# Altium PCB HIVE_SIGHT.PcbDoc (part 2 of 4)
Units mil, origin at the board's own origin, x right, y up, seen from the top; angles counter-clockwise.
Board outline 2755.91 x 4245.66 mil, 4 copper layers (Top, GND, PWR, Bottom), stack 60.394 mil thick; 270 components, 195 nets, 1094 pads, 396 vias.
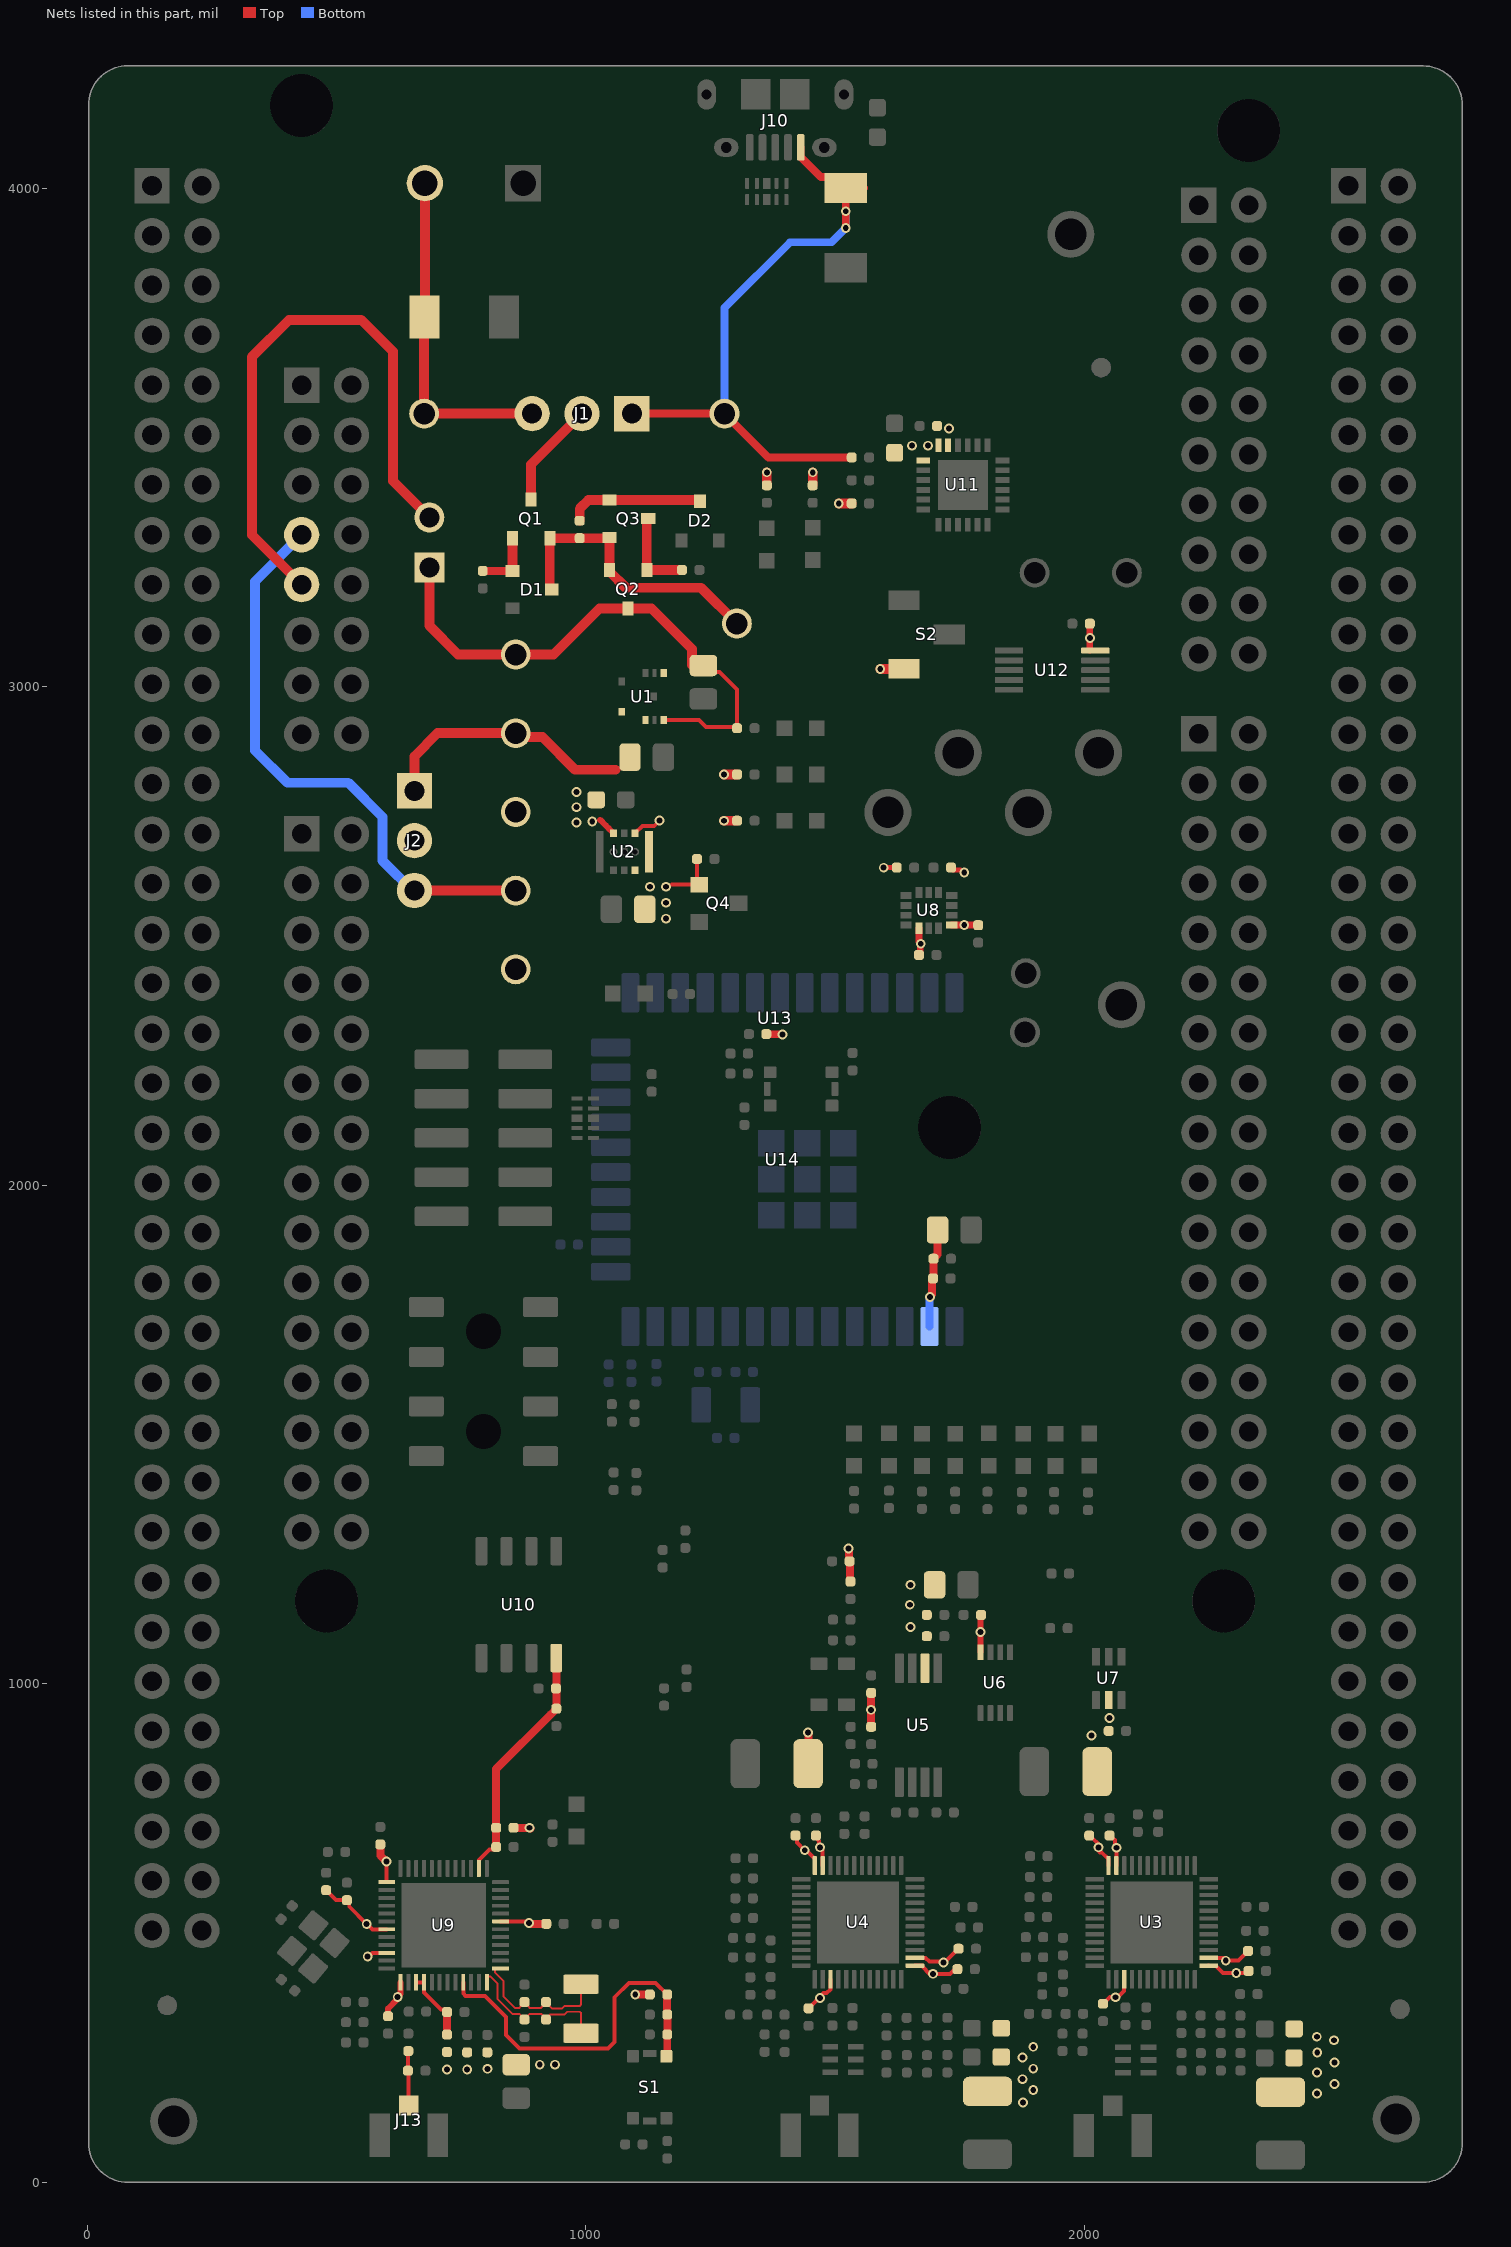
[diagram p4: the nets of this part, all layers, seen from the top]

## Footprints (in the part's own frame and the unit in brackets; to place one, negate y for a bottom-side part, rotate by r counter-clockwise, add the part's x,y. Pads: shape width x height; smd on the part's side, far side on the other; paste and mask are expansions set on the pad) (continued)
TVS_SMBJ5.0D-M3/H [mm]
  rect 1.52x2.18 smd paste-0.025 mask+0.07: 1(-2.032,0) 2(2.032,0)
  silkscreen extent -2.41,-2.13 2.3,2.1, body extent -2.69,-1.8 2.71,1.75, height 2.24
XFR_HHM1595A1 [mm] "HHM1595A1"
  rrect20% 0.3x0.8 smd paste-0.025 mask+0.07: 1(-0.65,-0.65) 2(0,-0.65) 3(0.65,-0.65) 4(0.65,0.65) 5(0,0.65) 6(-0.65,0.65)
  silkscreen extent -1.42,-0.75 1,0.75, body extent -1,-0.75 1,0.75, height 0.95

## Part data
C1: library part CAP_CER_C2012X7R1E475K125AE, "CAP - CER 4.7UF 10% 25V X7R - 0805", Manufacturer #1="TDK Corporation", Package=0805, Supplier Part Number 1=445-14537-1-ND, Temperature="-55°C ~ 125°C", Tolerance=10%, Voltage Rating=25V, Assembly Type=SMD, CreatedBy/Date="Keven Deslandes - 2018/11/09", GRAMS Lib Spec=2.8, HelpURL=https://product.tdk.com/info/en/documents/chara_sheet/C2012X7R1E475K125AE.pdf, Magnetic Material=Unknown, Part Number #1=C2012X7R1E475K125AE, Polarized=No, Supplier 1=Digi-Key, VerifiedBy="Nicolas Roy - 2018/12/11"
C2 C4: library part CAP_CER_GRM21BR61C106KE15K, "CAP - CER 10UF 10% 16V X5R - 0805", Manufacturer #1=Murata, Package=0805, Supplier Part Number 1=490-6473-1-ND, Temperature="-55°C ~ 85°C", Tolerance=10%, Voltage Rating=16V, Assembly Type=SMD, CreatedBy/Date="Caroline Paulin / 8 août 2018", GRAMS Lib Spec=2.8, HelpURL=https://search.murata.co.jp/Ceramy/image/img/A01X/G101/ENG/GRM21BR61C106KE15-01.pdf, Magnetic Material=Unknown, Part Number #1=GRM21BR61C106KE15K, Polarized=NO, Supplier 1=Digi-Key, VerifiedBy="Nicolas V. (2019-01-22)"
C3 C100: library part CAP_CER_CL10A475MA8NQNC, "CAP - CER 4.7µF 20% 25V X5R - 0603", Manufacturer #1="Samsung Electro-Mechanics", Package=0603, Supplier Part Number 1=1276-1903-1-ND, Temperature="-55°C ~ 85°C", Tolerance=20%, Voltage Rating=25V, Assembly Type=SMD, CreatedBy/Date="Nicolas Roy 2018-11-21", GRAMS Lib Spec=2.8, HelpURL=http://www.samsungsem.com/kr/support/product-search/mlcc/__icsFiles/afieldfile/2018/06/20/CL10A475MA8NQNC.pdf, Magnetic Material=Unknown, Part Number #1=CL10A475MA8NQNC, Polarized=NO, Supplier 1=Digi-Key, VerifiedBy="Nicolas V. (2019-01-22)"
C5 C6 C7 C8 C9 C10 C14 C17 C20 C24 C25 C26 C27 C28 C29 C30 C31 C35 C36 C37 C38 C39 C40 C44 C46 C48 C52 C53 C56 C57 C58 C59 C60 C61 C77 C78 C101 C102: library part CAP_CER_CGA2B3X7R1E104K050BB, "CAP - CER 0.1µF 10% 25V X7R - 0402", Manufacturer #1="TDK Corporation", Package=0402, Supplier Part Number 1=445-6902-1-ND, Temperature="-55°C ~ 125°C", Tolerance=10%, Voltage Rating=25V, Assembly Type=SMD, CreatedBy/Date="Nicolas Roy 2018-11-07", GRAMS Lib Spec=2.8, HelpURL=https://product.tdk.com/info/en/catalog/datasheets/mlcc_automotive_general_en.pdf, Magnetic Material=Unknown, Part Number #1=CGA2B3X7R1E104K050BB, Polarized=NO, Supplier 1=Digi-Key, VerifiedBy="Nicolas V. (2019-01-22)"
  C5 C6 C7 C8 C9 C10 C14 C17 C20 C24 C25 C26 C27 C28 C29 C30 C31 C35 C36 C37 C38 C39 C40 C44 C46 C48 C52 C53 C56 C57 C58 C59 C60 C61 C77 C78 C102: Cryo=UNKNOWN
C11 C21 C41 C49: library part CAP_CER_CL05B103KB5NFNC, "CAP - CER 10nF ±10% 50V X7R - 0402", Manufacturer #1="Samsung Electro-Mechanics", Package=0402, Supplier Part Number 1=1276-1499-1-ND, Temperature="-55°C ~ 125°C", Tolerance=10%, Voltage Rating=50V, Assembly Type=SMD, CreatedBy/Date="Keven Deslandes - 2018/11/20", Cryo=UNKNOWN, GRAMS Lib Spec=2.8, HelpURL=http://www.samsungsem.com/kr/support/product-search/mlcc/CL05B103KB5NFNC.jsp, Magnetic Material=Unknown, Part Number #1=CL05B103KB5NFNC, Polarized=No, Supplier 1=Digi-Key, VerifiedBy="Nicolas Roy - 2018/12/11"
C12 C22 C42 C50 C72: library part CAP_CER_CC0402KRX7R9BB102, "CAP - CER 1nF 10% 50V X7R - 0402", Manufacturer #1=Yageo, Package=0402, Supplier Part Number 1=311-1036-1-ND, Temperature="-55°C ~ 125°C", Tolerance=10%, Voltage Rating=50V, Assembly Type=SMD, CreatedBy/Date="Jonathan Bouchard 2019-04-06", Cryo=UNKNOWN, GRAMS Lib Spec=2.8, HelpURL=http://www.yageo.com/documents/recent/UPY-GPHC_X7R_6.3V-to-50V_18.pdf, Magnetic Material=UNKNOWN, Part Number #1=CC0402KRX7R9BB102, Polarized=NO, Supplier 1=Digi-Key, VerifiedBy="Nicolas V. (2019-04-30)"
C13 C23 C33 C34 C43 C51 C63 C64: library part CAP_CER_CC0402JRNPO9BN120, "CAP - CER 12pF 50V ±5% C0G, NP0 - 0402", Manufacturer #1=Yageo, Package=0402, Supplier Part Number 1=311-1016-1-ND, Temperature="-55°C ~ 125°C", Tolerance=±5%, Voltage Rating=50V, Assembly Type=SMD, CreatedBy/Date="Philippe Arsenault/ 2020-07-24", Cryo=UNKNOWN, GRAMS Lib Spec=2.8, HelpURL=https://www.yageo.com/upload/media/product/productsearch/datasheet/mlcc/UPY-GP_NP0_16V-to-50V_18.pdf, Magnetic Material=Unknown, Part Number #1=CC0402JRNPO9BN120, Polarized=NO, Supplier 1=Digi-Key, VerifiedBy="Louis-Daniel Gaulin / 2020-07-29"
C15 C45: library part CAP_CER_CC0402JRNPO9BN270, "CAP - CER 27pF 50V ±5% C0G, NP0 - 0402", Manufacturer #1=Yageo, Package=0402, Supplier Part Number 1=311-1019-1-ND, Temperature="-55°C ~ 125°C", Tolerance=±5%, Voltage Rating=50V, Assembly Type=SMD, CreatedBy/Date="Philippe Arsenault/ 2020-07-24", Cryo=UNKNOWN, GRAMS Lib Spec=2.8, HelpURL=https://www.yageo.com/upload/media/product/productsearch/datasheet/mlcc/UPY-GP_NP0_16V-to-50V_18.pdf, Magnetic Material=Unknown, Part Number #1=CC0402JRNPO9BN270, Polarized=NO, Supplier 1=Digi-Key, VerifiedBy="Louis-Daniel Gaulin / 2020-07-29"
C16 C47: library part CAP_CER_C0402C129C5GACTU, "CAP - CER 1.2pF 50V ±0.25pF C0G, NP0 - 0402", Manufacturer #1=KEMET, Package=0402, Supplier Part Number 1=399-1001-1-ND, Temperature="-55°C ~ 125°C", Tolerance=±0.25pF, Voltage Rating=50V, Assembly Type=SMD, CreatedBy/Date="Philippe Arsenault/ 2020-07-24", Cryo=UNKNOWN, GRAMS Lib Spec=2.8, HelpURL=https://content.kemet.com/datasheets/KEM_C1003_C0G_SMD.pdf, Magnetic Material=Unknown, Part Number #1=C0402C129C5GACTU, Polarized=NO, Supplier 1=Digi-Key, VerifiedBy="Louis-Daniel Gaulin / 2020-07-29"
C18 C54: library part CAP_CER_GRM1555C1H180GA01D, "CAP - CER 18pF 50V C0G, NPO - 0402", Manufacturer #1="Murata Electronics North America", Package=0402, Supplier Part Number 1=490-6204-1-ND, Temperature="-55°C ~ 125°C", Tolerance=2%, Voltage Rating=50V, Assembly Type=SMD, CreatedBy/Date="Tommy Rossignol / 2018-11-20", Cryo=UNKNOWN, GRAMS Lib Spec=2.8, HelpURL=https://psearch.en.murata.com/capacitor/product/GRM1555C1H180GA01%23.html, Magnetic Material=UNKNOWN, Note="Not for new Design", Part Number #1=GRM1555C1H180GA01D, Polarized=NO, Supplier 1=Digi-Key, VerifiedBy="Caroline Paulin - 13 fév 2019"
C19 C55: library part CAP_CER_CC0402KRX7R9BB821, "CAP - CER 820pF 50V ±10% X7R - 0402", Manufacturer #1=Yageo, Package=0402, Supplier Part Number 1=311-1727-1-ND, Temperature="-55°C ~ 125°C", Tolerance=±10%, Voltage Rating=50V, Assembly Type=SMD, CreatedBy/Date="Philippe Arsenault/ 2020-07-24", Cryo=UNKNOWN, GRAMS Lib Spec=2.8, HelpURL=https://www.yageo.com/upload/media/product/productsearch/datasheet/mlcc/UPY-GPHC_X7R_6.3V-to-50V_18.pdf, Magnetic Material=Unknown, Part Number #1=CC0402KRX7R9BB821, Polarized=NO, Supplier 1=Digi-Key, VerifiedBy="Louis-Daniel Gaulin / 2020-07-29"
C32 C62 C89: library part CAP_CER_CC0402JRNPO9BN101, "CAP - CER 100pF 50V ±5% C0G,CP0 - 0402", Manufacturer #1=Yageo, Package=0402, Supplier Part Number 1=311-1024-1-ND, Temperature="-55°C ~ 125°C", Tolerance=±5%, Voltage Rating=50V, Assembly Type=SMD, CreatedBy/Date="Philippe Arsenault/ 2020-07-24", Cryo=UNKNOWN, GRAMS Lib Spec=2.8, HelpURL=https://www.yageo.com/upload/media/product/productsearch/datasheet/mlcc/UPY-GPHC_X7R_6.3V-to-50V_18.pdf, Magnetic Material=Unknown, Part Number #1=CC0402JRNPO9BN101, Polarized=NO, Supplier 1=Digi-Key, VerifiedBy="Louis-Daniel Gaulin / 2020-07-29"
C65 C66 C75: library part CAP_CER_C0402C103M5RACTU, "CAP - CER 10nF 50V X7R 20% - 0402", Manufacturer #1=KEMET, Package=0402, Supplier Part Number 1=399-7760-1-ND, Temperature="-55°C ~ 125°C", Tolerance=20%, Voltage Rating=50V, Assembly Type=SMD, CreatedBy/Date="Keven Deslandes - 2018/11/09", Cryo=UNKNOWN, GRAMS Lib Spec=2.8, HelpURL=https://api.kemet.com/component-edge/download/datasheet/C0402C103M5RACTU.pdf, Magnetic Material=Unknown, Part Number #1=C0402C103M5RACTU, Polarized=No, Supplier 1=Digi-Key, VerifiedBy="Nicolas Roy - 2018/12/11"
C67: library part CAP_CER_GRM21BC71E106KE11L, "CAP - CER 10UF 10% 25V X7S - 0805", Manufacturer #1=Murata, Package=0805, Supplier Part Number 1=490-10496-1-ND, Temperature="-55°C ~ 125°C", Tolerance=10%, Voltage Rating=25V, Assembly Type=SMD, CreatedBy/Date="Caroline Paulin / 8 août 2018", Cryo=UNKNOWN, GRAMS Lib Spec=2.8, HelpURL=https://search.murata.co.jp/Ceramy/image/img/A01X/G101/ENG/GRM21BC71E106KE11-01.pdf, Magnetic Material=Unknown, Part Number #1=GRM21BC71E106KE11L, Polarized=NO, Supplier 1=Digi-Key, VerifiedBy="Nicolas V. (2019-01-22)"
C68 C73 C80 C90 C93 C112: library part CAP_CER_CL05A105KL5NRNC, "CAP - CER 1uF 10% 35V X5R - 0402", Manufacturer #1="Samsung Electro-Mechanics", Package=0402, Supplier Part Number 1=1276-6796-1-ND, Temperature="-55°C ~ 85°C", Tolerance=10%, Voltage Rating=35V, Assembly Type=SMD, CreatedBy/Date="Nicolas Roy 2018-10-03", Cryo=UNKNOWN, GRAMS Lib Spec=2.8, HelpURL=http://www.samsungsem.com/kr/support/product-search/mlcc/__icsFiles/afieldfile/2018/06/19/CL05A105KL5NRNC.pdf, Magnetic Material=Unknown, Part Number #1=CL05A105KL5NRNC, Polarized=NO, Supplier 1=Digi-Key, VerifiedBy="Caroline Paulin - 18 janv 2019"
C69 C70 C71 C74 C81 C82 C87 C88 C91 C94 C97 C108 C113: library part CAP_CER_CL05A104KA5NNNC, "CAP - CER 0.1uF 10% 25V X5R - 0402", Manufacturer #1="Samsung Electro-Mechanics", Package=0402, Supplier Part Number 1=1276-1043-1-ND, Temperature="-55°C ~ 85°C", Tolerance=10%, Voltage Rating=25V, Assembly Type=SMD, CreatedBy/Date="Keven Deslandes - 2018/09/26", Cryo=UNKNOWN, GRAMS Lib Spec=2.8, HelpURL=http://www.samsungsem.com/kr/support/product-search/mlcc/CL05A104KA5NNNC.jsp, Magnetic Material=Unknown, Part Number #1=CL05A104KA5NNNC, Polarized=NO, Supplier 1=Digi-Key, VerifiedBy="Nicolas Roy - 2018/12/11"
C76: library part CAP_CER_CC0402CRNPO9BN3R0, "CAP - CER 3pF 50V ±0.25pF C0G, NP0 - 0402", Manufacturer #1=Yageo, Package=0402, Supplier Part Number 1=311-1007-1-ND, Temperature="-55°C ~ 125°C", Tolerance=±0.25pF, Voltage Rating=50V, Assembly Type=SMD, CreatedBy/Date="Philippe Arsenault/ 2020-07-24", Cryo=UNKNOWN, GRAMS Lib Spec=2.8, HelpURL=https://www.yageo.com/upload/media/product/productsearch/datasheet/mlcc/UPY-GP_NP0_16V-to-50V_18.pdf, Magnetic Material=Unknown, Part Number #1=CC0402CRNPO9BN3R0, Polarized=NO, Supplier 1=Digi-Key, VerifiedBy="Louis-Daniel Gaulin / 2020-07-29"
C79 C111: library part CAP_CER_0805YD106KAT2A, "CAP - CER 10UF 16V X5R - 0805", Manufacturer #1="AVX Corporation", Package=0805, Supplier Part Number 1=478-5165-1-ND, Temperature="-55°C ~ 85°C", Tolerance=10%, Voltage Rating=16V, Assembly Type=SMD, CreatedBy/Date="L-P Gauthier / 2018-05-29", Cryo=UNKNOWN, GRAMS Lib Spec=2.8, HelpURL=http://datasheets.avx.com/cx5r.pdf, Magnetic Material=Unknown, Part Number #1=0805YD106KAT2A, Polarized=No, Supplier 1=Digi-Key, VerifiedBy="Caroline Paulin - 27 sept 2018"
C83: library part CAP_CER_C0402C332K5RACAUTO, "CAP - CER 3.3nF 10% 50V X7R - 0402", Manufacturer #1=KEMET, Package=0402, Supplier Part Number 1=399-15992-2-ND, Temperature="-55°C ~ 125°C", Tolerance=10%, Voltage Rating=50V, Assembly Type=SMD, CreatedBy/Date="Patrick Dufour 2020-05-29", Cryo=Unknown, GRAMS Lib Spec=2.9, HelpURL=https://content.kemet.com/datasheets/KEM_C1023_X7R_AUTO_SMD.pdf, Magnetic Material=Unknown, Part Number #1=C0402C332K5RACAUTO, Polarized=No, Supplier 1=Digi-Key, VerifiedBy="C.Paulin - 2020-06-24"
C84: library part CAP_CER_GRM155R71H103KA88D, "CAP - CER 10nF 10% 50V X7R - 0402", Manufacturer #1="Murata Electronics North America", Package=0402, Supplier Part Number 1=490-4516-1-ND, Temperature="-55°C ~ 125°C", Tolerance=10%, Voltage Rating=50V, Assembly Type=SMD, CreatedBy/Date="C.Paulin - 19/06/2019", Cryo=UNKNOWN, GRAMS Lib Spec=2.8, HelpURL=https://search.murata.co.jp/Ceramy/image/img/A01X/G101/ENG/GRM155R71H103KA88-01.pdf, Magnetic Material=Unknown, Part Number #1=GRM155R71H103KA88D, Polarized=No, Supplier 1=Digi-Key, VerifiedBy="Nicolas V. (2019-07-04)"
C85 C86 C109 C110: library part CAP_CER_CC0402JRNPO9BN130, "CAP - CER 13PF 50V C0G/NP0 - 0402", Manufacturer #1=Yageo, Package=0402, Supplier Part Number 1=311-3754-1-ND, Temperature="-55°C ~ 125°C", Tolerance=±5%, Voltage Rating=50V, Assembly Type=SMD, CreatedBy/Date="Hubert Dube - 04/10/20", Cryo=UNKNOWN, GRAMS Lib Spec=2.8, HelpURL=https://www.yageo.com/upload/media/product/productsearch/datasheet/mlcc/UPY-GP_NP0_16V-to-50V_18.pdf, Magnetic Material=Unknown, Part Number #1=CC0402JRNPO9BN130, Polarized=NO, Supplier 1=Digi-Key, VerifiedBy="Louis-Daniel Gaulin - 09/11/2020"
C92 C95: library part CAP_CER_CC0402DRNPO9BN8R0, "CAP - CER 8PF 50V C0G/NP0 - 0402", Manufacturer #1=Yageo, Package=0402, Supplier Part Number 1=311-1639-1-ND, Temperature="-55°C ~ 125°C", Tolerance=±0.5pF, Voltage Rating=50V, Assembly Type=SMD, CreatedBy/Date="Hubert Dube - 04/10/20", Cryo=UNKNOWN, GRAMS Lib Spec=2.8, HelpURL=https://www.yageo.com/upload/media/product/productsearch/datasheet/mlcc/UPY-GP_NP0_16V-to-50V_18.pdf, Magnetic Material=Unknown, Part Number #1=CC0402DRNPO9BN8R0, Polarized=NO, Supplier 1=Digi-Key, VerifiedBy="Louis-Daniel Gaulin - 09/11/2020"
C96 C107: library part CAP_CER_CL05A105MP5NNNC, "CAP - CER 1uF 20% 10V X5R - 0402", Manufacturer #1="Samsung Electro-Mechanics", Package=0402, Supplier Part Number 1=1276-1448-1-ND, Temperature="-55°C ~ 85°C", Tolerance=20%, Voltage Rating=10V, Assembly Type=SMD, CreatedBy/Date="Jonathan Bouchard 2018-07-05", Cryo=UNKNOWN, GRAMS Lib Spec=2.8, HelpURL=http://www.samsungsem.com/kr/support/product-search/mlcc/__icsFiles/afieldfile/2018/06/19/CL05A105MP5NNNC.pdf, Magnetic Material=YES, Part Number #1=CL05A105MP5NNNC, Polarized=NO, Supplier 1=Digi-Key, VerifiedBy="Arnaud Samson 16-07-18"
C98: library part CAP_CER_CC0402CRNPO9BN1R8, "CAP - CER 1.8PF 50V C0G/NP0 - 0402", Manufacturer #1=Yageo, Package=0402, Supplier Part Number 1=311-1004-1-ND, Temperature="-55°C ~ 125°C", Tolerance=±0.25pF, Voltage Rating=50V, Assembly Type=SMD, CreatedBy/Date="Hubert Dube - 04/10/20", Cryo=UNKNOWN, GRAMS Lib Spec=2.8, HelpURL=https://www.yageo.com/upload/media/product/productsearch/datasheet/mlcc/UPY-GP_NP0_16V-to-50V_18.pdf, Magnetic Material=Unknown, Part Number #1=CC0402CRNPO9BN1R8, Polarized=NO, Supplier 1=Digi-Key, VerifiedBy="Louis-Daniel Gaulin - 09/11/2020"
C99: library part CAP_CER_CC0402BRNPO9BN2R4, "CAP - CER 2.4PF 50V C0G/NP0 - 0402", Manufacturer #1=Yageo, Package=0402, Supplier Part Number 1=311-3703-1-ND, Temperature="-55°C ~ 125°C", Tolerance=±0.1pF, Voltage Rating=50V, Assembly Type=SMD, CreatedBy/Date="Hubert Dube - 04/10/20", Cryo=UNKNOWN, GRAMS Lib Spec=2.8, HelpURL=https://www.yageo.com/upload/media/product/productsearch/datasheet/mlcc/UPY-GP_NP0_16V-to-50V_18.pdf, Magnetic Material=Unknown, Part Number #1=CC0402BRNPO9BN2R4, Polarized=NO, Supplier 1=Digi-Key, VerifiedBy="Louis-Daniel Gaulin - 09/11/2020"
C103 C104 C105 C106: library part CAP_CER_C3225X7R1E226M250AB, "CAP - CER 22UF 20% 25V X7R - 1210", Manufacturer #1="TDK Corporation", Package=1210, Supplier Part Number 1=445-181602-1-ND, Temperature="-55°C ~ 125°C", Tolerance=20%, Voltage Rating=25V, Assembly Type=SMD, CreatedBy/Date="Nicolas V. (2019-12-11)", Cryo=UNKNOWN, GRAMS Lib Spec=2.8, HelpURL=https://product.tdk.com/info/en/documents/chara_sheet/C3225X7R1E226M250AB.pdf, Magnetic Material=Unknown, Part Number #1=C3225X7R1E226M250AB, Polarized=No, Supplier 1=Digi-Key, VerifiedBy="Nicolas V. (2019-12-11)"
D1 D2: library part DIO_ZENER_BZX84-B3V6,215, "DIO - ZENER 3.6V 250mW - SOT-23", Current Rating=70mA, Manufacturer #1="Nexperia USA Inc.", Manufacturer #2=-, Package=SOT-23, Power Max=250mW, Supplier Part Number 1=1727-6252-1-ND, Temperature="-65°C ~ 150°C", Tolerance=2%, Voltage Rating=3.6V, Assembly Type=SMD, CreatedBy/Date="Louis-Daniel Gaulin / 30-07-2020", Cryo=UNKNOWN, GRAMS Lib Spec=2.8, HelpURL=https://assets.nexperia.com/documents/data-sheet/BZX84_SER.pdf, Magnetic Material=Unknown, Note=-, Part Number #1=BZX84-B3V6,215, Part Number #2=-, Polarized=Yes, Supplier 1=Digi-Key, VerifiedBy="Philippe Arsenault/2020-11-06"
D3 D4 D5 D6 D7 D8 D9 D10 D11 D12 D13 D17 D19 D20 D21: library part LED_SML-D12P8WT86, "LED - GREEN DIFFUSED 0603 SMD - 0603", Current Rating=1-20mA, Manufacturer #1="Rohm Semiconductor", Package=0603, Supplier Part Number 1=511-1579-2-ND, Temperature="-40 ~ 85 °C", Voltage Rating="2.2V (Forward), 5V (max Reverse)", Assembly Type=SMD, CreatedBy/Date="Keven Deslandes - 2018/11/21", Cryo=UNKNOWN, GRAMS Lib Spec=2.8, HelpURL=https://d1d2qsbl8m0m72.cloudfront.net/en/products/databook/datasheet/opto/led/chip_mono/sml-d12x8_d13x8-e.pdf, Magnetic Material=Unknown, Note="Operate at 2mA", Part Number #1=SML-D12P8WT86, Polarized=Yes, Supplier 1=Digi-Key, VerifiedBy="Caroline Paulin - 13 février 2019"
D14 D15: library part TVS_SMBJ5.0D-M3/H, "TVS - DIODE 5V 9.1V- DO-214AA", Current Rating="65.9A peak pulse", Manufacturer #1="Vishay Semiconductor Diodes Division", Package=DO-214AA, Power Max="600W peak pulse", Supplier Part Number 1=SMBJ5.0D-M3/HGICT-ND, Temperature="-55°C ~ 150°C", Voltage Rating="Vbr = 6.5, Vc = 9.1", Assembly Type=SMD, CreatedBy/Date="Louis-Daniel Gaulin / 27-02-2020", GRAMS Lib Spec=2.8c, HelpURL=http://www.vishay.com/docs/87606/87606.pdf, Magnetic Material=Unknown, Part Number #1=SMBJ5.0D-M3/H, Polarized=Yes, Supplier 1=Digi-Key, VerifiedBy="C.Paulin - 09/03/2020"
D16 D18: library part TVS_DATA_DT1140-04LP-7, "TVS - DIODE 5.5V 10V - 10-UFDFN", Current Rating="6A (8/20µs)", Manufacturer #1="Diodes Incorporated", Manufacturer #2=-, Package=10-UFDFN, Power Max="60W (8/20µs)", Supplier Part Number 1=DT1140-04LP-7DICT-ND, Temperature=-55°C~85°C, Voltage Rating="6V (Breakdown)", Assembly Type=SMD, CreatedBy/Date="Joël Lemay 2019-11-20", Cryo=UNKNOWN, GRAMS Lib Spec=2.8, HelpURL=https://www.diodes.com/assets/Datasheets/DT1140-04LP.pdf, Magnetic Material=Unknown, Note="Fooprint created from tpd4e05u06 (TI) for manufacturability (soldermask)", Part Number #1=DT1140-04LP-7, Part Number #2=-, Polarized=Yes, Supplier 1=Digi-Key, Tolerance=-, VerifiedBy="C.Paulin - 21/11/2019"
FID1 FID2 FID3: library part FID_CIRCLE_1MM, "FID - FIDUCIAL 1MM CIRCLE DOUBLE-SIDED - 1MM", Package="1MM CIRCLE", Assembly Type=NONE, CreatedBy/Date="Jonathan Bouchard 2018-07-23", GRAMS Lib Spec=2.8, HelpURL=https://www.pcb-3d.com/wordpress/wp-content/uploads/ipc-sm-782a_amendment_1_and_2.pdf, Magnetic Material=NO, VerifiedBy="Caroline Paulin - 25 juillet 2018"
J1 J2: library part CON_HDR_TSW-103-07-G-S, "CON - HDR 100 MIL 3 POS - TH", Current Rating=4.3-6.3A, Manufacturer #1=Samtec, Package=3-TH, Temperature="-55 °C to +125 °C", Voltage Rating="400-550 VAC", Assembly Type=TH, CreatedBy/Date="Jonathan Bouchard", GRAMS Lib Spec=2.8, HelpURL=http://suddendocs.samtec.com/catalog_english/tsw_th.pdf, Magnetic Material=YES, Part Number #1=TSW-103-07-G-S, Polarized=NO, Supplier 1=Samtec, Supplier Part Number 1=TSW-103-07-G-S, VerifiedBy="Arnaud Samson 16-07-18"
J3 J4 J6: library part CON_JMP_SNT-100-BK-T-H, "CON - CONN SHUNT - MEC", Current Rating=4.3A, Manufacturer #1="Samtec Inc.", Package=MEC, Supplier Part Number 1=SAM8972-ND, Temperature="-55 °C to +125 °C", Voltage Rating="450 VAC", Assembly Type=MANUAL, CreatedBy/Date="Arnaud Samson - 09/07/18", GRAMS Lib Spec=2.8, HelpURL=http://suddendocs.samtec.com/catalog_english/snt.pdf, Magnetic Material=UNKNOWN, Part Number #1=SNT-100-BK-T-H, Polarized=NO, Supplier 1=Digi-Key, VerifiedBy="Jonathan Bouchard 2018-07-12"
J5: library part CON_HDR_1X2, "CON - Header 1x2 pins 100 mil -TH", Package=TH, Assembly Type=TH, CreatedBy/Date="Nicolas Roy/2 dec 2016", GRAMS Lib Spec=2.8, Magnetic Material=UNKNOWN, Polarized=No, VerifiedBy="Caroline Paulin / 10 juillet 2018"
J7 J8 J13: library part CON_UMC_128-0711-201, "CON - UMC JACK STR 50 OHM - SMD", Manufacturer #1="Cinch Connectivity Solutions Johnson", Package=SMD, Supplier Part Number 1=J983CT-ND, Temperature="-40°C ~ 90°C", Voltage Rating=200V, Assembly Type=SMD, CreatedBy/Date="Keven Desandes - 2018/09/27", Cryo=UNKNOWN, GRAMS Lib Spec=2.8, HelpURL=https://belfuse.com/resources/cinch-brochures/CCS%20Johnson%20UMC%20Ultra%20Miniature%20Connectors.pdf, Note=Straight, Part Number #1=128-0711-201, Polarized=No, Supplier 1=Digi-Key, VerifiedBy="Caroline Paulin - 23 janv 2019"
J9: library part CON_1935161, "CON - TERM BLK 2POS SIDE ENTRY 5MM PCB - TH - 14-26 AWG", Current Rating=17.5A, Manufacturer #1="Phoenix Contact", Package=TH, Supplier Part Number 1=277-1667-ND, Temperature="-40 °C ~ 100 °C", Voltage Rating=400V, Assembly Type=TH, CreatedBy/Date="Louis-Daniel Gaulin / 02-11-2020", Cryo=UNKNOWN, GRAMS Lib Spec=2.8, HelpURL=https://media.digikey.com/pdf/Data%20Sheets/Phoenix%20Contact%20PDFs/1935161.pdf, Magnetic Material=Unknown, Part Number #1=1935161, Polarized=Yes, Supplier 1=Digi-Key, VerifiedBy="Philippe Arsenault/2020-11-06"
J10: library part CON_USB_10118194-0001LF, "CON - USB MICRO B RECPT SMT R/A - 4PIN", Current Rating=1.8A, Manufacturer #1="Amphenol FCI", Package=5-SMD, Supplier Part Number 1=609-4618-1-ND, Temperature="-30°C ~ 80°C", Voltage Rating=100VAC, Assembly Type=SMD, CreatedBy/Date="Arnaud Samson - 09/07/18", GRAMS Lib Spec=2.8, HelpURL=https://cdn.amphenol-icc.com/media/wysiwyg/files/drawing/10118194.pdf, Magnetic Material=YES, Part Number #1=10118194-0001LF, Polarized=YES, Supplier 1=Digi-Key, VerifiedBy="Jonathan Bouchard 2018-07-12"
J11: library part CON_0878321014, "CON - HEADER SMD 10POS 2mm - SMD", Manufacturer #1=Molex, Package=SMD, Supplier Part Number 1=WM14376CT-ND, Temperature="-55°C ~ 105 °C", Assembly Type=SMD, CreatedBy/Date="Hubert Dube - 8/10/2020", Cryo=UNKNOWN, GRAMS Lib Spec=2.8, HelpURL=https://www.molex.com/webdocs/datasheets/pdf/en-us/0878321014_PCB_HEADERS.pdf, Magnetic Material=Unknown, Part Number #1=0878321014, Polarized=YES, Supplier 1=Digi-Key, VerifiedBy="Louis-Daniel Gaulin / 12-11-2020"
J12: library part CON_HDR_M20-7810445, "CONN RCPT 8POS 0.1 GOLD SMD", Manufacturer #1="Harwin Inc.", Package=SMD, Supplier Part Number 1=952-3209-ND, Temperature="-40°C ~ 105°C", Assembly Type=SMD, CreatedBy/Date="Hubert Dube - 31/10/2020", Cryo=UNKNOWN, GRAMS Lib Spec=2.8, HelpURL=https://cdn.harwin.com/pdfs/M20-781.pdf, Magnetic Material=Unknown, Part Number #1=M20-7810445, Polarized=NO, Supplier 1=Digi-Key, VerifiedBy="Louis-Daniel Gaulin - 09/11/2020"
J14: library part CON_HDR_NUCLEO_F429ZI_PREC008DAAN-RC, "CON - Header 16 positions 2x8  0.100\" - TH", Current Rating=3A, Manufacturer #1="Sullins Connector Solutions", Package=TH, Supplier Part Number 1=S2012EC-08-ND, Temperature="-55°C ~ 105°C", Voltage Rating=1000VAC, Assembly Type=TH, CreatedBy/Date="Louis-Daniel Gaulin / 21-10-2020", Cryo=UNKNOWN, GRAMS Lib Spec=2.8, HelpURL=https://drawings-pdf.s3.amazonaws.com/11636.pdf, Magnetic Material=Unknown, Part Number #1=PREC008DAAN-RC, Polarized=No, Supplier 1=Digi-Key
J15: library part CON_HDR_NUCLEO_F429ZI_PREC010DAAN-RC, "CON - Header 20 positions 2x10  0.100\" - TH", Current Rating=3A, Manufacturer #1="Sullins Connector Solutions", Package=TH, Supplier Part Number 1=S2012EC-10-ND, Temperature="-55°C ~ 105°C", Voltage Rating=1000VAC, Assembly Type=TH, CreatedBy/Date="Louis-Daniel Gaulin / 21-10-2020", Cryo=UNKNOWN, GRAMS Lib Spec=2.8, HelpURL=https://drawings-pdf.s3.amazonaws.com/11636.pdf, Magnetic Material=Unknown, Part Number #1=PREC010DAAN-RC, Polarized=No, Supplier 1=Digi-Key
J16: library part CON_HDR_NUCLEO_F429ZI_PREC017DAAN-RC, "CON - Header 34 positions 2x17  0.100\" - TH", Current Rating=3A, Manufacturer #1="Sullins Connector Solutions", Package=TH, Supplier Part Number 1=S2012EC-17-ND, Temperature="-55°C ~ 105°C", Voltage Rating=1000VAC, Assembly Type=TH, CreatedBy/Date="Louis-Daniel Gaulin / 21-10-2020", Cryo=UNKNOWN, GRAMS Lib Spec=2.8, HelpURL=https://drawings-pdf.s3.amazonaws.com/11636.pdf, Magnetic Material=Unknown, Part Number #1=PREC017DAAN-RC, Polarized=No, Supplier 1=Digi-Key
J17: library part CON_HDR_NUCLEO_F429ZI_PREC015DAAN-RC, "CON - Header 30 positions 2x15  0.100\" - TH", Current Rating=3A, Manufacturer #1="Sullins Connector Solutions", Package=TH, Supplier Part Number 1=S2012EC-15-ND, Temperature="-55°C ~ 105°C", Voltage Rating=1000VAC, Assembly Type=TH, CreatedBy/Date="Louis-Daniel Gaulin / 21-10-2020", Cryo=UNKNOWN, GRAMS Lib Spec=2.8, HelpURL=https://drawings-pdf.s3.amazonaws.com/11636.pdf, Magnetic Material=Unknown, Part Number #1=PREC015DAAN-RC, Polarized=No, Supplier 1=Digi-Key
L1 L2 L3 L4: library part FER_BLM15AG601SN1D, "FER - FERRITE BEAD 600 OHM@100MHz - 0402", Current Rating=300mA, Manufacturer #1=Murata, Package=0402, Supplier Part Number 1=490-1006-1-ND, Temperature="-55°C ~ 125°C", Assembly Type=SMD, CreatedBy/Date="Philippe Arsenault/2020-07-24", Cryo=UNKNOWN, GRAMS Lib Spec=2.8, HelpURL=https://www.murata.com/en-us/products/productdata/8796740059166/ENFA0018.pdf, Magnetic Material=YES, Part Number #1=BLM15AG601SN1D, Polarized=NO, Supplier 1=Digi-Key
L5: library part FER_BLM15BB220SN1D, "FER - FERRITE BEAD 22 OHM - 0402", Current Rating=300mA, Manufacturer #1=Murata, Package=0402, Supplier Part Number 1=490-5187-1-ND, Temperature="-55°C ~ 125°C", Assembly Type=SMD, CreatedBy/Date="Philippe Arsenault/2020-11-03", Cryo=UNKNOWN, GRAMS Lib Spec=2.8, HelpURL=https://www.murata.com/en-us/products/productdata/8796740059166/ENFA0018.pdf, Magnetic Material=YES, Part Number #1=BLM15BB220SN1D, Polarized=NO, Supplier 1=Digi-Key